# Altium PCB SmartHaloFF.PcbDoc (part 3 of 4)
Units mm, origin at the board's own origin, x right, y up, seen from the top; angles counter-clockwise.
Board outline 76.77 x 65.15 mm, 4 copper layers (Top Layer, Ground Plane, Power Plane, Bottom Layer), stack 1.516 mm thick; 370 components, 183 nets, 935 pads, 579 vias.
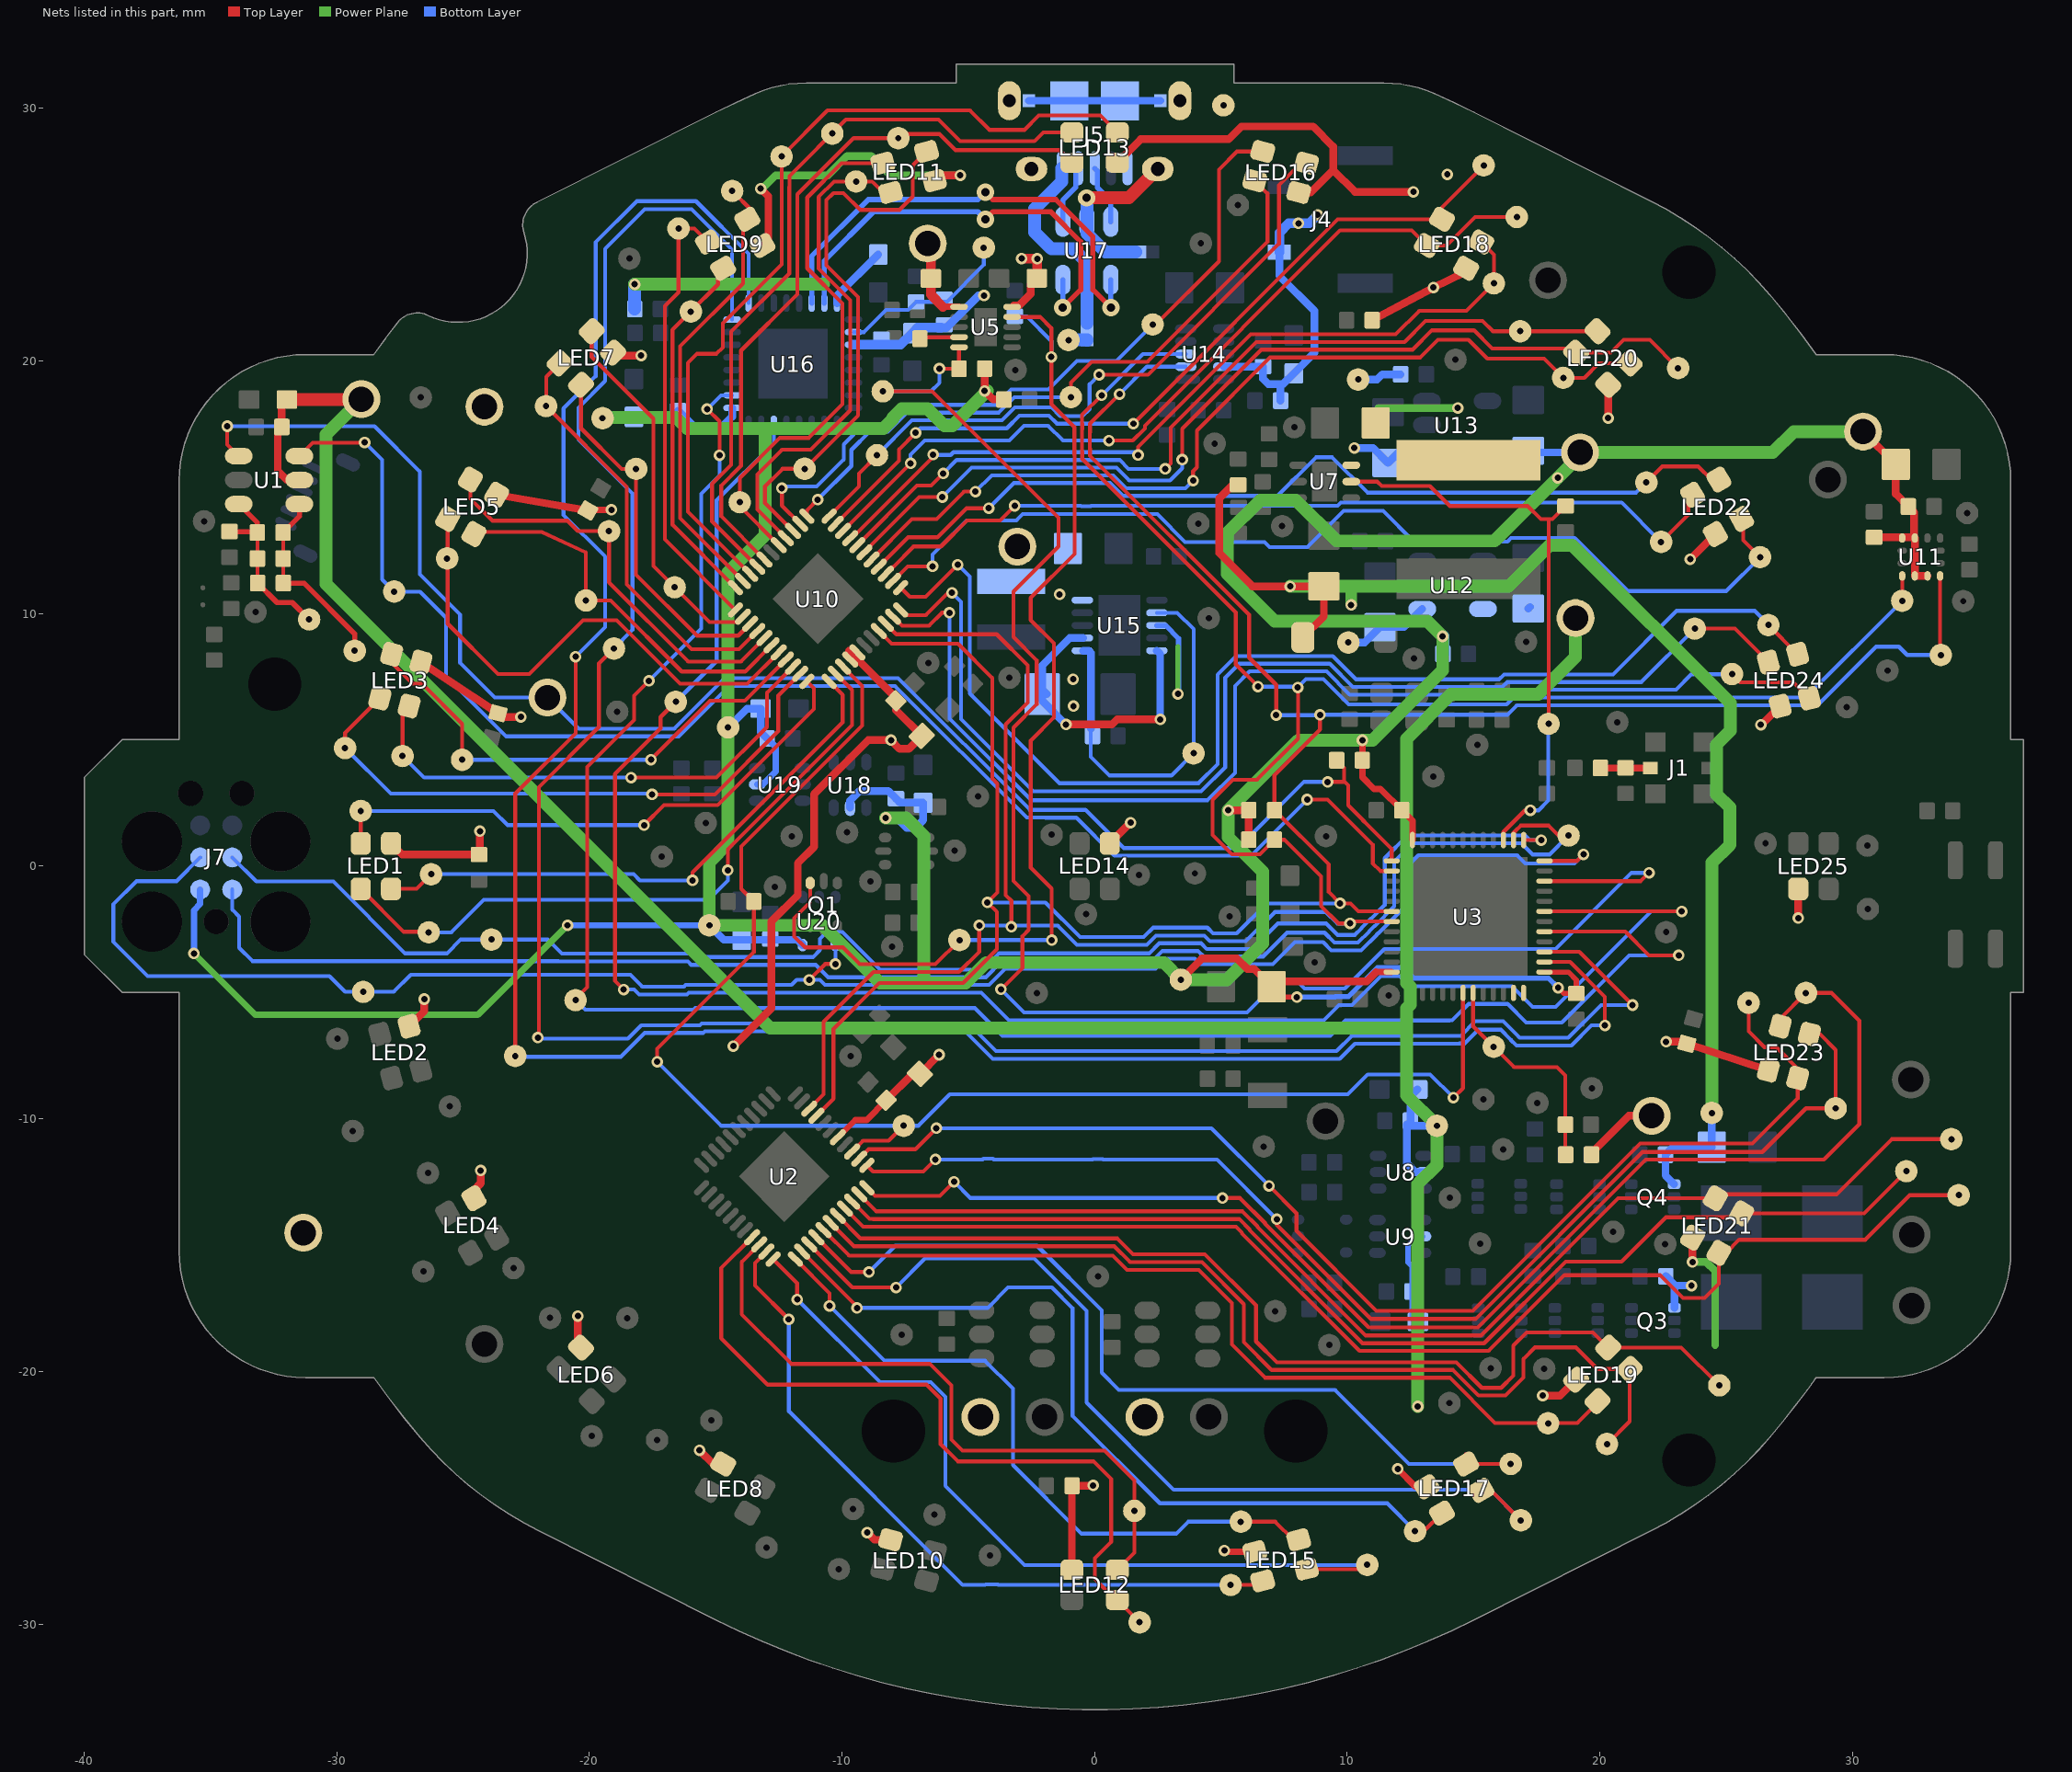
[diagram p5: the nets of this part, all layers, seen from the top]

## Via types
v1: diameter 0.457, hole 0.254, Top Layer to Bottom Layer, 555 vias
v2: diameter 0.686, hole 0.33, Top Layer to Bottom Layer, 24 vias

## Nets (pads, with @x,y where several pads share a name; then routed paths per layer and width w, separated by ;. In a path a pad name is that pad's centre, name@x,y a point inside that pad or via, vN(x,y) a via of type N, cw(c..) or ccw(c..) an arc to the next point about the centre after c; other vN are vias at no path point) (continued)
OUT20: LED12.3 TP39.1 U2.19 | length 30.2
  Top Layer w0.152: U2.19@-13.559,-14.69 -14.783,-15.914 -14.783,-18.687 -12.944,-20.526 -6.65,-20.526 -6.099,-21.077 -6.099,-22.88 -5.418,-23.561 -0.043,-23.561 0.658,-24.262 0.658,-26.746 0.005,-27.399 0.005,-28.214 0.543,-28.753 0.543,-29.05 LED12.3@0.9,-29.05 TP39.1@1.781,-29.931
OUT21: LED12.4 TP40.1 U2.20 | length 26.4
  Top Layer w0.152: U2.20@-13.276,-14.973 -13.97,-15.667 -13.97,-17.742 -12.009,-19.703 -6.52,-19.703 -5.672,-20.551 -5.672,-22.705 -5.235,-23.142 0.391,-23.142 1.572,-24.323 1.572,-27.178 LED12.4@0.9,-27.85
OUT22: LED15.2 TP41.1 U2.21 | length 28.8
  Top Layer w0.152: U2.21@-12.993,-15.256 -13.447,-15.709 -13.447,-16.599 v1(-12.106,-17.94) ; TP41.1@5.382,-28.456 6.487,-28.456 LED15.2@6.649,-28.293
  Bottom Layer w0.152: v1(-12.106,-17.94) -12.106,-21.577 -5.227,-28.456 -4.334,-28.456 -4.311,-28.433 -3.837,-28.433 -3.815,-28.456 TP41.1@5.382,-28.456
OUT23: LED15.3 TP42.1 U2.22 | length 33.4
  Top Layer w0.152: U2.22@-12.728,-15.556 -11.775,-16.509 v1(-11.775,-17.15) ; LED15.3@8.388,-27.828 10.618,-27.828 TP42.1@10.79,-27.656
  Bottom Layer w0.152: v1(-11.775,-17.15) -8.496,-20.429 -6.485,-20.429 -5.903,-21.011 -5.903,-24.531 -2.771,-27.663 10.782,-27.663 TP42.1@10.79,-27.656
OUT24: LED15.4 TP43.1 U2.23 | length 27
  Top Layer w0.152: U2.23@-11.844,-15.556 -10.493,-16.908 v1(-10.493,-17.404) ; TP43.1@5.784,-25.951 7.15,-25.951 7.867,-26.669 LED15.4@8.077,-26.669
  Bottom Layer w0.152: v1(-10.493,-17.404) -8.316,-19.581 -4.336,-19.581 -3.233,-20.683 -3.233,-23.708 -0.518,-26.424 3.226,-26.424 3.698,-25.951 TP43.1@5.784,-25.951
OUT25: LED17.2 TP44.1 U2.24 | length 33.5
  Top Layer w0.152: U2.24@-11.579,-15.256 -9.347,-17.488 v1(-9.403,-17.488) ; TP44.1@12.682,-26.325 13.03,-26.325 LED17.2@13.746,-25.609
  Bottom Layer w0.152: v1(-9.403,-17.488) -4.239,-17.488 -3.426,-16.675 -1.694,-16.675 -0.876,-17.493 -0.876,-21.76 2.586,-25.222 11.58,-25.222 TP44.1@12.682,-26.325
OUT26: LED17.3 TP45.1 U2.25 | length 37.8
  Top Layer w0.152: U2.25@-11.296,-14.973 -9.591,-16.678 v1(-7.859,-16.678) ; LED17.3@15.329,-24.684 15.657,-24.684 TP45.1@16.868,-25.895
  Bottom Layer w0.152: v1(-7.859,-16.678) -6.698,-15.517 -2.405,-15.517 -0.323,-17.6 -0.323,-21.234 3.127,-24.684 15.657,-24.684 TP45.1@16.868,-25.895
OUT27: LED17.4 TP46.1 U2.26 | length 35.7
  Top Layer w0.152: U2.26@-11.013,-14.69 -9.638,-16.066 v1(-8.933,-16.066) ; LED17.4@14.704,-23.669 LED17.4@14.704,-23.262 ; LED17.4@14.704,-23.663 TP46.1@16.469,-23.663
  Bottom Layer w0.152: v1(-8.933,-16.066) -7.897,-15.029 -2.276,-15.029 0.277,-17.582 0.277,-20.051 0.96,-20.734 9.516,-20.734 12.445,-23.663 TP46.1@16.469,-23.663
OUT28: LED19.2 TP47.1 U2.27 | length 35.2
  Top Layer w0.152: U2.27@-10.73,-14.407 -9.717,-15.42 0.716,-15.42 1.278,-15.982 4.12,-15.982 5.428,-17.29 5.428,-18.933 6.744,-20.249 14.057,-20.249 15.848,-22.04 19.108,-22.04 LED19.2@19.97,-21.178
OUT29: LED19.3 TP48.1 U2.28 | length 40.3
  Top Layer w0.152: U2.28@-10.448,-14.124 -9.528,-15.044 0.771,-15.044 1.404,-15.677 4.246,-15.677 5.908,-17.339 5.908,-18.844 7.008,-19.944 14.183,-19.944 15.194,-20.955 16.261,-20.955 16.972,-20.244 16.972,-19.507 17.429,-19.05 19.042,-19.05 19.897,-19.905 LED19.3@21.178,-19.905 21.178,-21.979 TP48.1@20.282,-22.875
OUT30: LED19.4 TP49.1 U2.29 | length 41
  Top Layer w0.152: U2.29@-10.165,-13.842 -9.267,-14.74 0.898,-14.74 1.517,-15.359 4.36,-15.359 6.388,-17.388 6.388,-18.815 7.213,-19.639 14.315,-19.639 15.326,-20.65 16.091,-20.65 16.568,-20.173 16.568,-18.979 17.094,-18.453 19.726,-18.453 LED19.4@20.329,-19.056 23.217,-19.056 TP49.1@24.719,-20.559
OUT31: LED21.2 TP50.1 U2.30 | length 50.5
  Top Layer w0.152: U2.30@-9.882,-13.559 -9.166,-14.275 5.596,-14.275 5.837,-14.516 5.837,-14.546 10.483,-19.192 15.596,-19.192 18.598,-16.19 22.38,-16.19 23.284,-17.094 24.145,-17.094 24.708,-16.532 LED21.2@24.708,-15.304 24.998,-15.304 25.514,-14.788 30.503,-14.788 32.266,-13.025 TP50.1@34.201,-13.025
OUT32: LED21.3 TP51.1 U2.31 | length 46.7
  Top Layer w0.152: U2.31@-9.599,-13.276 -8.91,-13.965 -8.775,-13.965 -8.77,-13.97 5.722,-13.97 6.142,-14.39 6.142,-14.42 10.607,-18.885 15.415,-18.885 18.646,-15.654 20.858,-15.654 22.613,-13.9 LED21.3@25.453,-13.9 ; LED21.3@25.608,-13.746 30.458,-13.746 TP51.1@32.131,-12.073
OUT33: LED21.4 TP52.1 U2.32 | length 48.9
  Top Layer w0.152: U2.32@-9.316,-12.993 -8.644,-13.665 5.848,-13.665 6.447,-14.264 6.447,-14.293 10.733,-18.58 15.289,-18.58 20.724,-13.146 LED21.4@24.568,-13.146 24.568,-12.991 29.363,-12.991 31.547,-10.808 TP52.1@33.909,-10.808
OUT34: LED23.4 TP53.1 U2.33 | length 53.8
  Top Layer w0.152: U2.33@-9.016,-12.728 -8.69,-13.053 -6.126,-13.053 v1(-5.565,-12.492) ; v1(5.06,-13.137) 5.751,-13.137 6.751,-14.137 6.751,-14.167 10.847,-18.263 15.175,-18.263 21.818,-11.62 28.867,-11.62 30.269,-10.218 30.269,-6.116 29.172,-5.019 TP53.1@28.153,-5.019 27.133,-6.039 LED23.4@27.133,-6.339
  Bottom Layer w0.152: v1(-5.565,-12.492) -4.923,-13.134 5.06,-13.134 v1(5.06,-13.137)
OUT35: LED23.3 TP54.1 U2.34 | length 48.5
  Top Layer w0.152: U2.34@-9.016,-11.844 -8.774,-12.085 -6.777,-12.085 v1(-6.302,-11.61) ; v1(7.209,-13.975) 7.209,-14.193 10.94,-17.925 15.082,-17.925 21.691,-11.316 26.429,-11.316 28.158,-9.586 TP54.1@29.329,-9.586 29.329,-7.275 28.705,-6.65 LED23.3@28.292,-6.65
  Bottom Layer w0.152: v1(-6.302,-11.61) -4.436,-11.61 -4.403,-11.577 -4.024,-11.577 -3.991,-11.61 -0.075,-11.61 -0.065,-11.6 0.314,-11.6 0.324,-11.61 4.844,-11.61 v1(7.209,-13.975)
OUT36: LED23.2 TP55.1 U2.35 | length 49.4
  Top Layer w0.152: U2.35@-9.316,-11.579 -8.944,-11.206 -7.097,-11.206 v1(-6.264,-10.373) ; v1(6.904,-12.654) 7.988,-13.739 7.988,-14.441 11.152,-17.605 14.971,-17.605 21.601,-10.975 26.04,-10.975 27.827,-9.189 LED23.2@27.827,-8.389 27.827,-8.004 26.987,-7.165 26.51,-7.165 25.885,-6.54 TP55.1@25.885,-5.41
  Bottom Layer w0.152: v1(-6.264,-10.373) 4.623,-10.373 v1(6.904,-12.654)
OUT37: LED24.2 TP60.1 U10.43 | length 47.4
  Top Layer w0.152: U10.43@-7.98,9.877 -7.623,9.52 -6.556,9.52 -6.043,10.033 v1(-5.748,10.033) ; TP60.1@25.227,7.605 25.55,7.282 27.659,7.282 LED24.2@28.292,6.649
  Bottom Layer w0.152: v1(-5.748,10.033) -5.748,6.111 -5.747,5.845 -2.514,2.611 4.47,2.611 5.555,3.696 5.555,7.132 6.132,7.709 9.176,7.709 10.098,6.787 16.263,6.787 16.458,6.982 23.01,6.982 23.622,7.595 TP60.1@25.227,7.595
OUT38: LED24.4 TP61.1 U10.44 | length 46.8
  Top Layer w0.152: U10.44@-7.68,10.142 -7.476,9.939 -6.683,9.939 -5.801,10.82 v1(-5.646,10.82) ; TP61.1@23.754,9.403 25.341,9.403 LED24.4@26.668,8.077
  Bottom Layer w0.152: v1(-5.646,10.82) -5.291,10.465 -5.291,9.591 -5.293,9.588 -5.293,5.822 -2.431,2.959 4.216,2.959 5.169,3.912 5.169,7.455 5.728,8.014 9.303,8.014 10.225,7.092 16.136,7.092 16.332,7.287 21.638,7.287 TP61.1@23.754,9.403
OUT39: LED24.3 TP59.1 U10.1 | length 48.9
  Top Layer w0.152: U10.1@-7.68,11.026 -7.319,10.665 -6.688,10.665 v1(-5.418,11.935) ; TP59.1@26.669,9.571 TP59.1@26.669,9.545 LED24.3@27.827,8.388
  Bottom Layer w0.152: v1(-5.418,11.935) -4.945,11.463 -4.945,6.831 -1.398,3.284 4.11,3.284 4.864,4.038 4.864,7.581 5.601,8.319 9.429,8.319 10.351,7.396 16.01,7.396 16.206,7.592 20.518,7.592 23.035,10.109 26.13,10.109 TP59.1@26.669,9.571
OUT40: LED22.2 TP66.1 U10.2 | length 40.6
  Top Layer w0.152: U10.2@-7.98,11.291 -7.405,11.867 v1(-6.416,11.867) ; LED22.2@25.608,13.746 25.667,13.686 25.667,12.906 TP66.1@26.34,12.233
  Bottom Layer w0.152: v1(-6.416,11.867) -6.416,12.339 -5.07,13.686 -3.097,13.686 -2.848,13.934 2.482,13.934 3.581,12.835 6.721,12.835 6.927,12.629 8.424,12.629 9.856,14.061 11.421,14.061 12.63,12.852 16.345,12.852 16.484,12.992 19.002,12.992 21.102,10.892 24.999,10.892 TP66.1@26.34,12.233
OUT41: LED22.4 TP68.1 U10.3 | length 34.9
  Top Layer w0.152: U10.3@-8.263,11.574 -8.002,11.835 -7.988,11.835 -7.169,12.654 -6.081,12.654 -5.047,13.688 -3.741,13.688 v1(-3.162,14.267) ; TP68.1@22.421,12.835 23.494,13.908 23.494,14.53 LED22.4@23.668,14.704
  Bottom Layer w0.152: v1(-3.162,14.267) -0.545,14.267 -0.53,14.252 -0.151,14.252 -0.136,14.267 9.621,14.267 9.748,14.394 20.861,14.394 TP68.1@22.421,12.835
OUT42: LED22.3 TP67.1 U10.4 | length 36.7
  Top Layer w0.152: U10.4@-8.546,11.857 -7.383,13.02 -6.223,13.02 -5.075,14.168 v1(-4.188,14.168) ; TP67.1@21.839,15.192 22.471,15.824 23.891,15.824 24.411,15.304 LED22.3@24.708,15.304
  Bottom Layer w0.152: v1(-4.188,14.168) -4.188,14.171 -3.193,15.166 0.607,15.166 1.115,14.658 7.231,14.658 8.758,16.185 9.403,16.185 10.8,14.788 21.435,14.788 TP67.1@21.839,15.192
OUT43: LED20.2 TP71.1 U10.5 | length 36
  Top Layer w0.152: U10.5@-8.829,12.14 -7.23,13.738 -6.254,13.738 -5.166,14.826 v1(-4.719,14.826) ; v1@3.896,15.249 v1(3.896,15.261) 3.896,15.636 4.049,15.789 4.049,17.242 6.947,20.14 12.888,20.14 13.581,20.833 14.798,20.833 15.542,20.089 17.793,20.089 TP71.1@18.55,19.332 19.385,19.332 19.958,19.905 LED20.2@21.178,19.905
  Bottom Layer w0.152: v1(-4.719,14.826) -4.074,15.471 0.733,15.471 1.241,14.963 3.599,14.963 v1(3.896,15.261)
OUT44: LED20.4 TP70.1 U10.6 | length 38.2
  Top Layer w0.152: U10.6@-9.111,12.423 -9.111,12.447 -6.945,14.613 v1(-6.032,14.613) ; v1(3.467,16.089) 3.467,17.315 6.596,20.444 12.583,20.444 13.353,21.214 15.014,21.214 15.735,20.493 18.893,20.493 LED20.4@19.056,20.329 20.431,20.329 20.937,20.836 21.974,20.836 TP70.1@23.094,19.715
  Bottom Layer w0.152: v1(-6.032,14.613) -4.869,15.776 0.86,15.776 1.368,15.268 2.983,15.268 3.467,15.751 v1(3.467,16.089)
OUT45: LED20.3 TP69.1 U10.7 | length 34.3
  Top Layer w0.152: U10.7@-9.394,12.705 -7.03,15.07 -6.472,15.07 v1(-5.994,15.547) ; v1(2.794,15.725) 3.01,15.941 3.01,17.361 6.398,20.749 12.266,20.749 13.099,21.582 15.357,21.582 15.762,21.178 TP69.1@16.844,21.178 LED20.3@19.905,21.178
  Bottom Layer w0.152: v1(-5.994,15.547) -5.461,16.081 0.986,16.081 1.341,15.725 v1(2.794,15.725)
OUT46: LED18.2 TP72.1 U10.8 | length 31.9
  Top Layer w0.152: U10.8@-9.677,12.988 -9.596,12.988 -6.393,16.191 v1(-6.393,16.294) ; v1(1.72,16.276) 1.72,16.594 6.18,21.054 11.918,21.054 12.852,21.989 14.719,21.989 TP72.1@15.804,23.073 15.804,24.208 LED18.2@15.304,24.708
  Bottom Layer w0.152: v1(-6.393,16.294) -6.393,16.28 -6.389,16.276 -5.696,16.276 -5.587,16.386 1.61,16.386 v1(1.72,16.276)
OUT47: LED18.4 TP73.1 U10.9 | length 33.1
  Top Layer w0.152: U10.9@-9.96,13.271 v1(-7.285,15.946) ; v1(0.569,16.848) 1.51,16.848 1.989,17.326 1.989,17.437 9.716,25.164 12.55,25.164 LED18.4@13.146,24.568 13.931,24.568 15.06,25.697 TP73.1@16.711,25.697
  Bottom Layer w0.152: v1(-7.285,15.946) -7.285,16.286 -6.723,16.848 -3.381,16.848 -2.794,17.435 -1.841,17.435 -1.254,16.848 v1(0.569,16.848)
OUT48: LED18.3 TP74.1 U10.10 | length 32.3
  Top Layer w0.152: U10.10@-10.243,13.554 -7.742,16.055 -7.742,16.494 v1(-7.083,17.153) ; v1(1.532,17.516) 9.623,25.608 LED18.3@13.746,25.608 13.746,26.085 TP74.1@15.4,27.739
  Bottom Layer w0.152: v1(-7.083,17.153) -6.9,17.335 -3.477,17.335 -2.977,17.836 -1.811,17.836 -1.491,17.516 v1(1.532,17.516)
OUT49: LED16.2 TP123.1 U10.11 | length 27.2
  Top Layer w0.152: U10.11@-10.508,13.855 -9.324,15.038 -9.324,15.545 TP123.1@-8.608,16.261 ; v1(0.178,19.454) 2.113,19.454 7.295,24.635 7.295,26.952 8.17,27.827 LED16.2@8.388,27.827
  Bottom Layer w0.152: TP123.1@-8.608,16.261 -8.608,16.274 -7.232,17.65 -3.664,17.65 -3.156,18.158 -1.703,18.158 -1.365,17.821 -0.478,17.821 -0.198,18.1 -0.198,19.078 v1(0.178,19.454)
OUT50: LED16.4 TP124.1 U10.12 | length 26.2
  Top Layer w0.152: U10.12@-11.392,13.855 -11.392,14.079 v1(-10.96,14.511) ; TP124.1@-0.94,18.565 -0.94,19.144 -0.117,19.967 2.09,19.967 6.84,24.717 6.84,26.632 LED16.4@6.338,27.133
  Bottom Layer w0.152: v1(-10.96,14.511) -9.629,15.842 -9.629,16.48 -8.905,17.203 -8.179,17.203 -7.427,17.955 -3.791,17.955 -3.181,18.565 TP124.1@-0.94,18.565
OUT51: LED16.3 TP122.1 U10.13 | length 28.7
  Top Layer w0.152: v1(-12.38,14.963) -12.38,14.277 U10.13@-11.657,13.554 ; TP122.1@2.309,21.433 2.41,21.433 4.917,23.94 4.917,27.574 5.636,28.292 LED16.3@6.649,28.292
  Bottom Layer w0.152: v1(-12.38,14.963) -12.317,15.026 -11.007,15.026 -9.934,16.099 -9.934,16.696 -9.122,17.508 -8.341,17.508 -7.59,18.26 -3.917,18.26 -3.307,18.87 -1.834,18.87 -0.699,20.005 0.861,20.005 TP122.1@2.299,21.443
OUT52: LED11.2 TP119.1 U10.14 | length 22.2
  Top Layer w0.152: U10.14@-11.94,13.271 -13.051,14.382 -13.051,15.037 -12.357,15.73 TP119.1@-11.478,15.73 -9.368,17.841 -9.368,22.531 -10.62,23.783 -10.62,26.365 -10.34,26.645 -9.947,26.645 -9.28,25.978 -7.727,25.978 -7.196,26.509 -7.196,27.747 LED11.2@-6.65,28.292
OUT53: LED11.4 TP120.1 U10.15 | length 20
  Top Layer w0.152: U10.15@-12.223,12.988 -13.355,14.121 -13.355,15.504 -12.375,16.485 -11.234,16.485 -9.675,18.044 -9.675,22.407 -10.925,23.657 -10.925,26.491 -10.314,27.102 -8.801,27.102 -8.367,26.668 LED11.4@-8.078,26.668
OUT54: LED11.3 TP121.1 U10.16 | length 20.9
  Top Layer w0.152: U10.16@-12.506,12.705 -14.046,14.246 -14.046,15.37 -12.461,16.954 -11.316,16.954 -9.98,18.291 -9.98,22.271 -11.377,23.668 -11.377,26.47 -10.02,27.827 LED11.3@-8.389,27.827
OUT55: LED13.4 TP118.1 U10.18 | length 28.7
  Top Layer w0.152: U10.18@-13.071,12.14 -14.778,13.846 -14.778,15.069 -13.998,15.849 -13.998,20.409 -11.763,22.644 -11.763,26.596 -9.54,28.819 TP118.1@-7.772,28.819 -7.609,28.982 -6.14,28.982 -5.502,28.344 -1.394,28.344 LED13.4@-0.9,27.85
OUT56: LED13.3 TP117.1 U10.19 | length 30.1
  Top Layer w0.152: U10.19@-13.354,11.857 -15.143,13.646 -15.143,15.134 -14.392,15.886 -14.392,21.158 -12.087,23.463 -12.087,24.714 -12.085,24.715 -12.085,26.88 ; -12.08,26.885 -12.08,27.32 -9.848,29.553 -6.177,29.553 -5.324,28.699 -2.383,28.699 -2.032,29.05 LED13.3@-0.9,29.05
OUT57: LED13.2 TP116.1 U10.20 | length 34.4
  Top Layer w0.152: U10.20@-13.637,11.574 -16.099,14.036 -16.099,19.921 -15.735,20.284 -14.966,20.284 -14.722,20.528 -14.722,21.496 -12.391,23.826 -12.391,24.84 -12.39,24.841 TP116.1@-12.39,28.095 ; TP116.1@-12.385,28.105 -10.574,29.916 -4.935,29.916 -4.166,29.146 -2.779,29.146 -2.207,29.718 0.232,29.718 LED13.2@0.9,29.05
OUT58: LED9.2 TP95.1 U10.21 | length 18
  Top Layer w0.152: TP95.1@-14.348,26.731 -13.541,25.923 -13.541,25.812 LED9.2@-13.746,25.608 ; U10.21@-13.92,11.291 -16.403,13.775 -16.403,20.582 -13.917,23.068 -13.917,25.308 LED9.2@-13.681,25.544
OUT59: LED9.4 TP93.1 U10.22 | length 14.5
  Top Layer w0.152: LED9.4@-14.787,23.714 -14.907,23.594 -14.907,23.033 TP93.1@-15.984,21.956 -16.708,21.232 -16.708,13.514 U10.22@-14.22,11.026
OUT60: LED9.3 TP94.1 U10.23 | length 17.9
  Top Layer w0.152: LED9.3@-15.304,24.708 -15.839,25.243 TP94.1@-16.469,25.243 -16.469,22.72 -17.013,22.177 -17.013,12.935 U10.23@-14.22,10.142
OUT61: LED7.2 TP92.1 U10.24 | length 14.9
  Top Layer w0.152: LED7.2@-19.914,21.17 -19.914,20.165 -17.465,17.716 -17.465,11.882 -15.245,9.662 -14.135,9.662 U10.24@-13.92,9.877
OUT62: LED7.4 TP91.1 U10.25 | length 14.5
  Top Layer w0.152: LED7.4@-20.33,19.056 -20.33,17.333 -18.722,15.725 TP91.1@-18.151,15.725 -18.151,11.539 -15.738,9.126 -14.105,9.126 U10.25@-13.637,9.594
OUT63: LED7.3 TP90.1 U10.26 | length 16.8
  Top Layer w0.152: LED7.3@-21.179,19.905 -21.711,19.373 -21.711,18.208 -18.517,15.014 -18.517,11.153 -15.949,8.585 -14.08,8.585 U10.26@-13.354,9.311
OUT64: LED5.2 TP89.1 U10.27 | length 16.8
  Top Layer w0.152: LED5.2@-24.709,15.459 LED5.2@-24.709,15.304 -24.709,14.546 -23.836,13.674 -20.87,13.674 -20.46,13.264 TP89.1@-19.223,13.264 -19.223,11.234 -16.088,8.1 -14,8.1 U10.27@-13.071,9.029
OUT65: LED5.4 TP88.1 U10.28 | length 15.5
  Top Layer w0.152: LED5.4@-24.569,13.146 -24.569,13.233 -21.895,13.233 -20.135,12.419 TP88.1@-20.135,10.518 -19.159,10.518 -16.345,7.704 -13.83,7.704 U10.28@-12.788,8.746
OUT66: LED5.3 TP87.1 U10.29 | length 20.5
  Top Layer w0.152: LED5.3@-25.609,13.746 -25.609,9.596 -23.617,7.605 -22.377,7.605 -20.246,9.736 -18.923,9.736 -16.406,7.219 -13.75,7.219 U10.29@-12.506,8.463
OUT67: LED3.2 TP85.1 U10.30 | length 20
  Top Layer w0.152: LED3.2@-27.828,8.388 -27.828,8.051 -26.995,7.219 -26.624,7.219 -25.037,5.631 TP85.1@-25.037,4.214 ; v1(-17.564,4.214) -15.225,6.553 -13.85,6.553 U10.30@-12.223,8.18
  Bottom Layer w0.152: TP85.1@-25.037,4.214 v1(-17.564,4.214)
OUT68: LED3.4 TP84.1 U10.31 | length 20.5
  Top Layer w0.152: TP84.1@-27.396,4.361 -27.396,6.076 LED3.4@-27.134,6.338 ; v1(-18.349,3.505) -14.968,3.505 -12.972,5.502 -12.972,6.865 U10.31@-11.94,7.897
  Bottom Layer w0.152: TP84.1@-27.396,4.361 -26.54,3.505 v1(-18.349,3.505)
OUT69: LED3.3 TP83.1 U10.32 | length 24.1
  Top Layer w0.152: TP83.1@-29.67,4.676 -29.67,5.273 LED3.3@-28.293,6.649 ; v1(-17.518,2.84) -15.032,2.84 -12.522,5.349 -12.522,6.749 U10.32@-11.657,7.614